# KiCad board KES.kicad_pcb (continued)
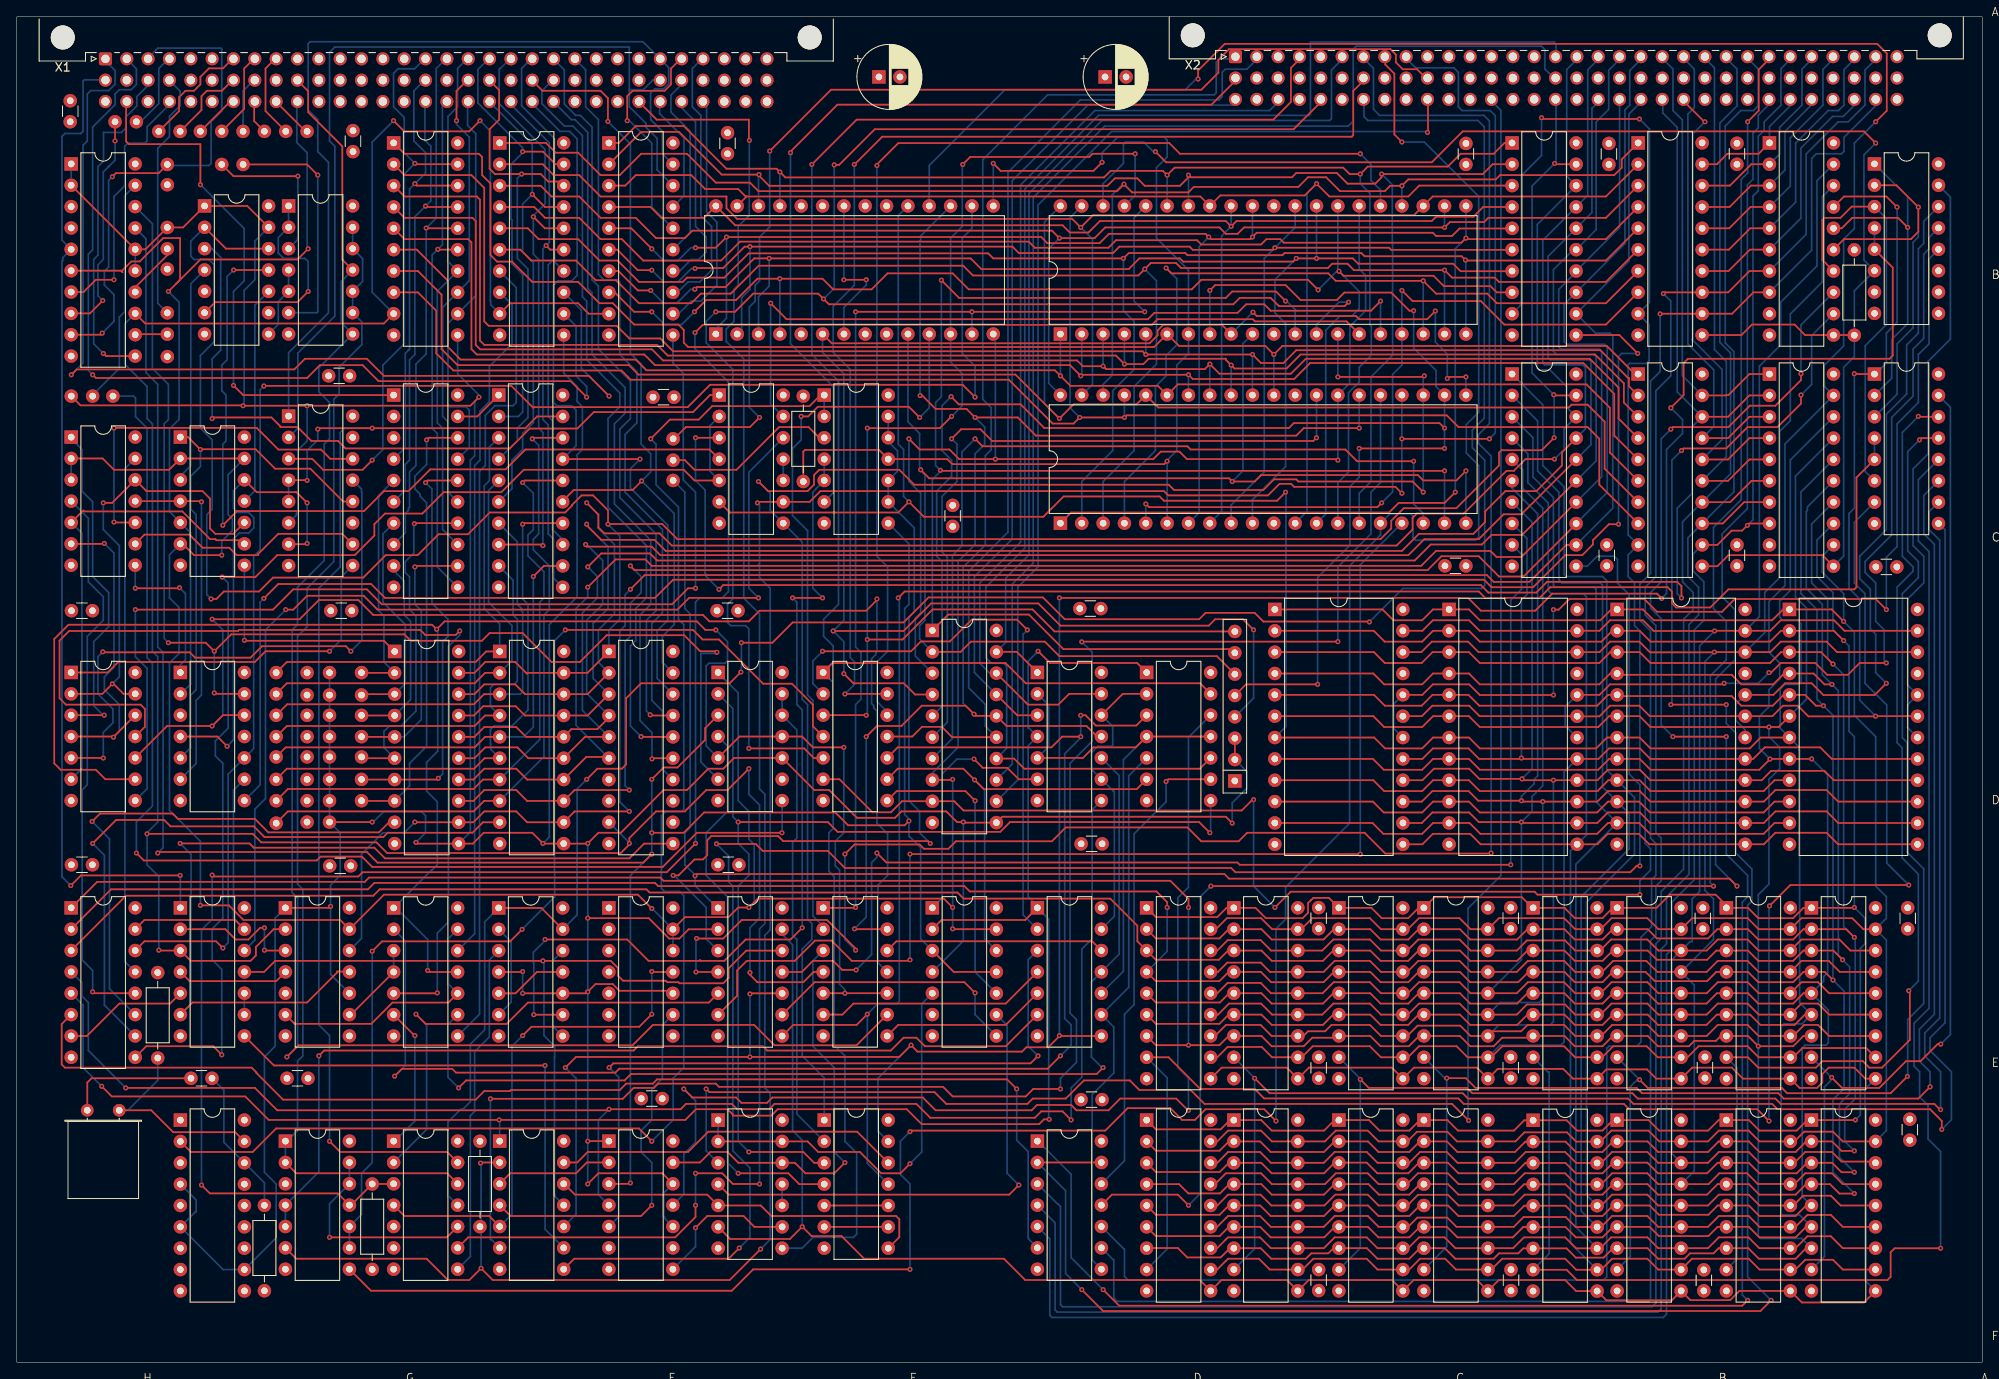
[diagram p0: board, top side]
## Routing (per net, layer and track width the routed paths; a pad name or vN(x,y) marks a point on that pad's centre or on a via; arc(x,y) is an arc through that point) (continued)
  Bottom w0.2: v1(222.51,89.53) 222.51,95.75 223.78,97.02 223.78,111.63 226.32,114.17 226.32,119.88 227.59,121.15 227.59,131.26 AEAO1.12 ; v1(182.89,89.53) v1(182.89,79.37) ; CGCI1.18 163.87,75.41 163.87,78.29 CGCI1.20
Net-(AEBK1-O0): length 121.3
  Top w0.2: v1(216,33.87) 217.24,32.63 221.68,32.63 224.85,35.81 226.58,35.81 228.61,37.84 v1(228.99,37.84)
  Bottom w0.2: AKEI1.8 215.15,12.57 215.15,32.76 216.16,33.77 216.1,33.77 v1(216,33.87) AKDM1.8 ; v1(228.99,37.84) 230.13,38.98 230.13,113.6 AEBK1.15
Net-(AEBK1-O1): length 130.9
  Top w0.2: AEBK1.14 226.37,112.47 v1(226.32,112.51) ; ASDM1.8 206.05,36.27 207.27,35.04 214.13,35.04 214.89,35.81 219.72,35.81 220.48,35.04 222,35.04 225.31,38.35 225.31,44.06 v1(225.18,44.19)
  Bottom w0.2: ASDM1.8 204.73,35.01 204.73,12.28 ASEI1.8 ; v1(225.18,44.19) 226.32,45.33 226.32,58.06 224.39,59.99 224.39,73.09 223.78,73.7 223.78,92.19 225.69,94.1 225.69,94.61 224.42,95.88 224.42,110.61 v1(226.32,112.51)
Net-(AEBK1-O2): length 142.7
  Top w0.2: AEBK1.13 226.66,109.93 v1(226.45,109.72) ; v1(225.02,34) 223.02,32 210.7,32 210.07,32.63 194.11,32.63 v1(193.13,33.61)
  Bottom w0.2: BEEI1.8 192.03,12.58 192.03,32.76 192.88,33.61 v1(193.13,33.61) ; BEDM1.8 192.97,33.77 193.05,33.77 ; v1(225.02,34) 225.05,34.03 225.05,40.76 226.96,42.66 226.96,58.69 225,60.65 225,73.7 224.42,74.29 224.42,91.43 226.32,93.34 226.32,95.24 225.05,96.51 225.05,108.32 v1(226.45,109.72)
Net-(AEBK1-O3): length 176.6
  Top w0.2: BMEI1.8 184.46,11 185.68,9.77 222.64,9.77 223.02,10.15 223.02,13.07 223.5,13.55 v1(228.97,13.55)
  Bottom w0.2: v1(228.97,13.55) 228.97,25.05 227.47,26.55 227.47,30.55 226.47,31.55 226.47,34.55 225.81,35.21 225.81,40.32 227.59,42.1 227.59,96.43 226.32,97.7 226.32,104.99 AEBK1.12 ; BMEI1.8 182.38,12.91 182.38,34.54 182.2,34.54 BMDM1.8
Net-(AEBK1-O4): length 161.4
  Top w0.2: v1(227.72,32.76) 226.32,31.36 210.29,31.36 209.66,32 193.43,32 192.79,32.63 187.63,32.63 173.62,32.63 172.46,33.79 v1(170.19,33.79)
  Bottom w0.2: v1(227.72,32.76) 227.72,34.54 226.45,35.81 226.45,39.62 228.23,41.39 228.23,97.29 226.97,98.55 226.97,103.1 AEBK1.11 ; BWDM1.8 169.95,33.79 v1(170.19,33.79) 170.19,13.74 BWEI1.8
Net-(AEBK1-O5): length 172.7
  Top w0.2: v1(159.9,33.65) 160.92,32.63 167.93,32.63 172.6,32.63 173.23,32 192.29,32 192.92,31.36 209.3,31.36 209.94,30.73 228.23,30.73 228.9,30.05 v1(228.97,30.05)
  Bottom w0.2: AEBK1.10 227.59,101.18 227.59,99.05 228.86,97.78 228.86,40.94 227.08,39.16 227.08,36.44 228.97,34.55 v1(228.97,30.05) ; CGEI1.8 159.9,13.57 v1(159.9,33.65) 159.9,33.72 CGDM1.8
Net-(AEBK1-O6): length 186.9
  Top w0.2: v1(147.33,33.77) 149.11,32 172.09,32 172.73,31.36 191.78,31.36 192.41,30.73 208.92,30.73 209.56,30.09 227.72,30.09 229.11,28.7 v1(229.11,27.69)
  Bottom w0.2: v1(229.11,27.69) 230.26,28.84 230.26,34.54 227.72,37.08 227.72,38.6 229.5,40.38 229.5,99.02 228.75,99.77 ; CQDM1.8 147.33,33.79 v1(147.33,33.77) 147.33,13.5 CQEI1.8
Net-(AEBK1-O7): length 196.9
  Top w0.2: DADM1.8 137.09,36.27 140.85,32.5 147.33,32.5 148.45,31.38 171.57,31.38 172.22,30.73 191.27,30.73 191.91,30.09 207.15,30.09 v1(208.54,28.69) ; v1(225.18,56.76) 211.08,56.76 v1(208.61,54.28)
  Bottom w0.2: v1(225.18,56.76) 222.56,59.38 222.56,78.17 219.97,80.76 219.97,91.43 218.7,92.7 218.7,99.91 AEBK1.7 ; DADM1.8 136.91,33.83 136.91,13.46 DAEI1.8 ; v1(208.54,28.69) 208.54,54.22 v1(208.61,54.28)
Net-(C300-Pad1): length 15.9
  Top w0.2: Y1.1 8.39,33.27 8.9,33.77 C300.1
Net-(DACO1-Pad2): length 36.3
  Top w0.2: DKCO1.12 131.63,79.51 DACO1.2
  Bottom w0.2: DKCO1.12 130.44,75.62 130.44,73.4 130.31,73.27 128.66,73.27 127.9,72.51 127.9,70.54 DKCO1.9 130.5,67.94 130.56,67.94 130.63,67.87 130.63,53.05 DKDM1.13
Net-(DACO1-Pad3): length 174.3
  Top w0.2: v1(126.63,76.95) 127.21,76.95 128.43,75.74 133.23,75.74 DACO1.3 ; v1(44.97,34.03) 45.84,34.9 51.82,34.9 52.28,34.44 71.23,34.44 71.71,34.92 122.69,34.92 v1(124.21,36.44) ; EGCO1.10 104.84,73.14 123.15,73.14 124.42,74.41 v1(126.63,74.41)
  Bottom w0.2: v1(126.63,76.95) v1(126.63,74.41) 126.63,74.29 124.72,72.38 124.72,40.89 125.48,40.12 125.48,37.71 v1(124.21,36.44) ; v1(44.97,34.03) 46.24,35.3 46.24,50.11 FWDM1.2
Net-(DACO1-Pad5): length 65.2
  Bottom w0.2: DKEK1.8 127.99,12.16 127.99,31.84 130.56,34.41 130.56,39.88 DKDM1.9 132.34,44.6 132.34,69.76 DACO1.5
Net-(DACO1-Pad6): length 54.3
  Top w0.2: EGCO1.9 104.84,70.6 112.66,70.6 v1(113.99,69.27) 115.09,68.17 133.29,68.17 DACO1.6
  Bottom w0.2: v1(113.99,69.27) 115.2,68.06 115.2,50.36 DUDM1.12
Net-(DACO1-Pad8): length 128.1
  Top w0.2: v1(85.86,64.25) 96.53,64.25 97.69,63.09 117.05,63.09 118.21,64.25 140.72,64.25 v1(141.99,62.98) ; EGEI1.3 94.9,23.72 93.61,25.01 v1(87.13,25.01)
  Bottom w0.2: EQCO1.2 85.22,77.76 85.22,64.89 v1(85.86,64.25) 85.86,61.71 87.13,60.44 87.13,57.9 85.86,56.63 85.86,26.28 v1(87.13,25.01) ; DACO1.8 142.09,63.08 v1(141.99,62.98)
Net-(DACO1-Pad11): length 63.2
  Top w0.2: DKCO1.5 126.9,71.89 128.15,73.14 133.18,73.14 DACO1.4 DACO1.11
  Bottom w0.2: DKCO1.2 122.82,78.16 122.82,73.24 DKCO1.5 ; DACO1.4 131.71,71.67 131.71,46.51 DKDM1.10
Net-(DACO1-Pad12): length 128
  Top w0.2: v1(139.45,29.96) 139.39,29.96 137.99,31.36 131.33,31.36 129.93,29.96 126.12,29.96 125.48,30.6 121.42,30.6 120.78,29.96 109.35,29.96 107.83,31.49 89.92,31.49 89.29,30.85 86.24,30.85 85.61,31.49 80.4,31.49 v1(79.38,32.5)
  Bottom w0.2: v1(79.38,32.5) 80.78,31.11 80.78,26.15 79.38,24.76 79.38,19.97 FCEK1.11 ; DACO1.12 139.45,74.33 139.45,56.51 138.18,55.24 138.18,35.04 139.45,33.77 v1(139.45,29.96)
Net-(DKCO1-Pad6): length 29.5
  Top w0.2: DKCO1.6 119.25,69.35 117.88,70.71 114.96,70.71 v1(113.93,71.75)
  Bottom w0.2: v1(113.93,71.75) 111.9,71.75 110.12,69.97 110.12,55.2 DUDM1.1
Net-(DKCO1-Pad10): length 127
  Top w0.2: v1(52.59,32.63) 53.47,33.52 72.34,33.52 73.1,34.28 128.53,34.28 v1(129.29,35.04)
  Bottom w0.2: 129.17,35.04 127.9,36.31 127.9,45.24 DKDM1.11 131.2,48.54 131.2,69.78 DKCO1.10 ; v1(52.59,32.63) 51.32,33.9 51.32,40.19 FWDM1.9
Net-(DKDM1-Pad2): length 69
  Top w0.2: v1(95.89,84.57) 106.43,84.57 107.6,85.74 111.06,85.74 113.65,88.33 119.06,88.33 v1(120.28,87.11)
  Bottom w0.2: v1(120.28,87.11) 119.77,86.61 119.77,53.21 DKDM1.2 ; EGCO1.2 94.75,80.73 94.75,83.43 v1(95.89,84.57)
Net-(DKDM1-Pad3): length 85
  Top w0.2: v1(70.49,35.04) 71,35.55 120.66,35.55 v1(121.55,36.44)
  Bottom w0.2: v1(121.55,36.44) 120.37,37.62 120.37,47.87 DKDM1.3 ; FCEK1.5 71.64,17.31 71.64,33.9 v1(70.49,35.04)
Net-(DKDM1-Pad4): length 27.6
  Top w0.2: EGDM1.6 98.26,41.35 99.58,42.66 117.7,42.66 DKDM1.4
Net-(DKDM1-Pad5): length 20
  Top w0.2: EGDM1.8 104.9,40.12 117.7,40.12 DKDM1.5
Net-(DKDM1-Pad6): length 110.8
  Top w0.2: DKDM1.6 117.7,37.58 108.09,37.58 107.07,38.6 105.54,38.6 104.02,37.08 89.29,37.08 88.78,37.58 73.92,37.58 73.41,37.08 36.58,37.08 v1(35.95,36.44)
  Bottom w0.2: v1(35.95,36.44) 35.95,22.66 GIEK1.4 GIEK1.5
Net-(DKDM1-Pad12): length 26.4
  Top w0.2: EGDM1.12 104.69,50.07 127.99,50.07 DKDM1.12
Net-(DUAS1-C/TRG1): length 19
  Top w0.2: v1(98.43,128.77) v1(101.1,128.77)
  Bottom w0.2: v1(98.43,128.77) 98.44,128.78 DUAS1.22 ; DUAS1.7 98.44,125.48 101.1,128.14 v1(101.1,128.77)
Net-(DUDM1-Pad5): length 48.8
  Top w0.2: EQEI1.2 EQEI1.13 94.13,26.26 95.37,25.01 100.34,25.01 102.88,22.47 105.16,22.47 v1(106.31,23.61)
  Bottom w0.2: v1(106.31,23.61) 107.7,25.01 107.7,42.62 DUDM1.5 ; EQEI1.2 EQEI1.1
Net-(DUDM1-Pad8): length 31.3
  Top w0.2: v1(114.05,43.93) 112.78,45.2 94.95,45.2 EQDM1.9
  Bottom w0.2: v1(114.05,43.93) 114.05,41.35 DUDM1.8
Net-(DUDM1-Pad9): length 58.2
  Top w0.2: v1(119.26,21.07) 118.12,19.93 84.72,19.93 EQEI1.4
  Bottom w0.2: v1(119.26,21.07) 117.86,22.47 117.86,40.12 117.82,40.12 DUDM1.9
Net-(DUDM1-Pad10): length 35.4
  Top w0.2: EGCO1.8 104.72,67.94 112.91,67.94 v1(114.05,66.79)
  Bottom w0.2: DUDM1.10 114.05,46.43 v1(114.05,66.79)
Net-(EGBM1-Pad4): length 107.1
  Top w0.2: 81.29,47.74 75.19,47.74 72.65,50.28 v1(62.87,50.28) ; FMDM1.9 v1(61.53,41.34) ; v1(93.48,51.68) 92.08,50.28 86.75,50.28 84.21,47.74 81.4,47.74 81.29,47.86 ; v1(95.89,90.92) v1(92.34,90.92)
  Bottom w0.2: v1(95.89,90.92) 94.75,92.07 94.75,103.5 95.13,103.88 95.13,103.92 EGBM1.5 EGBM1.4 ; v1(93.48,51.68) 93.48,77.59 92.84,78.22 92.84,90.42 v1(92.34,90.92) ; v1(61.53,41.34) 61.53,47.5 61.48,47.56 61.48,48.76 62.87,50.16 v1(62.87,50.28)
Net-(EGBM1-Pad10): length 99.1
  Top w0.2: v1(78.11,57.9) 78.75,57.9 80.65,59.81 81.67,59.81 82.18,60.32 82.18,62.1 82.67,62.58 90.62,62.58 91.22,61.99 108.45,61.99 v1(108.72,61.71)
  Bottom w0.2: v1(108.72,61.71) 107.45,62.98 107.45,65.52 106.18,66.79 106.18,88.64 106.81,89.27 106.81,99.26 EGBM1.9 EGBM1.10 104.78,105.95 104.78,106.04 104.82,106.07 104.82,108.41 103.72,109.51 ; v1(78.11,57.9) 78.24,57.9 82.05,54.09 82.05,50.28 82.15,50.28 EQDM1.3 ; EGBM1.12 EGBM1.13
Net-(EGCO1-Pad4): length 130.6
  Top w0.2: v1(60.14,51.49) 58.71,50.06 43.47,50.06 v1(42.3,48.89) ; v1(65.29,87.11) 80.48,87.11 81.62,85.97 83.57,85.97 88.83,80.71 92.26,80.71 94.75,78.22 94.75,75.65 EGCO1.4
  Bottom w0.2: v1(65.29,87.11) 63.99,85.82 63.99,58.31 64.02,58.29 64.02,55.36 v1(60.14,51.49) ; v1(42.3,48.89) 42.3,23.74 41.03,22.47 41.03,17.58 GIEK1.10 GIEK1.9
Net-(EGDM1-Pad3): length 50.1
  Top w0.2: FCEK1.13 81.31,23.76 82.56,25.01 84.59,25.01 85.88,23.72 EQEI1.12 92.61,23.72 93.86,22.47 97.29,22.47 v1(98.56,23.74)
  Bottom w0.2: v1(98.56,23.74) 97.29,25.01 97.29,32.38 97.29,32.25 97.29,35.04 94.75,37.58 94.75,47.75 EGDM1.3
Net-(EGDM1-Pad10): length 227.6
  Top w0.2: EGDM1.10 v1(98.56,43.89) EGDM1.5 ; v1(98.43,73.14) 94.75,73.14 93.46,74.43 EQCO1.11 86.01,74.43 EQCO1.5 ; FWDM1.11 49.08,46.42 v1(48.9,46.6) ; HECO1.9 10.53,69.35 9.41,70.48 5.21,70.48 4.45,71.24 4.45,86.03 6.15,87.73 49.43,87.73 v1(49.97,87.19) 50.91,88.13 80.93,88.13 81.95,87.11 v1(83.19,87.11)
  Bottom w0.2: 49.92,87.11 50.1,86.94 50.1,72.69 48.78,71.37 48.78,67.94 50.05,66.67 50.05,59.17 49.41,58.54 49.35,58.54 FWDM1.1 ; 45.15,54.04 48.9,50.28 v1(48.9,46.6) ; v1(98.43,73.14) 98.43,62.98 97.42,61.97 97.42,59.05 97.93,58.54 97.93,44.95 98.56,44.32 v1(98.56,43.89) ; v1(83.19,87.11) 84.59,85.72 84.59,83.43 84.31,83.15 82.37,83.15 82.05,82.83 82.05,73.31 EQCO1.5
Net-(EGDM1-Pad11): length 157.5
  Top w0.2: v1(102.37,90.8) 102.24,90.67 102.24,90.54 101.1,89.4 88.4,89.4 87.13,88.13 82.43,88.13 81.67,88.89 42.43,88.89 40.65,90.67 35.95,90.67 33.66,88.38 v1(23.25,88.38) ; GSCO1.12 24.53,76.97 v1(23.25,75.68) 17.88,75.68 HECO1.10
  Bottom w0.2: v1(23.25,75.68) 24.52,76.95 24.52,87.11 v1(23.25,88.38) ; EGDM1.11 102.53,47.49 102.5,47.49 102.49,47.5 102.49,56.75 103.64,57.9 103.64,62.86 102.37,64.13 102.37,77.46 101.99,77.84 101.99,78.1 101.73,78.35 101.73,83.69 102.24,84.19 102.24,84.45 102.37,84.57 v1(102.37,90.8)
Net-(EGEI1-Pad2): length 55.7
  Bottom w0.2: EGEI1.2 92.84,29.52 92.84,50.28 92.34,50.79 92.34,61.84 92.84,62.35 92.84,75.22 EQCO1.12 EQCO1.13
Net-(EGEI1-Pad4): length 65.8
  Top w0.2: v1(85.86,22.47) 91.83,22.47 93.12,21.18 EGEI1.4
  Bottom w0.2: v1(85.86,22.47) 84.59,23.74 84.59,55.36 82.05,57.9 82.05,62.98 84.59,65.52 84.59,73.31 EQCO1.4
Net-(EGEI1-Pad6): length 7.6
  Top w0.2: EGEI1.6 EGEI1.9
Net-(EGEI1-Pad8): length 45.6
  Top w0.2: 65.14,21.22 66.43,19.93 82.18,19.93 EQEI1.5 88.55,18.64 89.8,17.39 104.66,17.39 105.04,17.01 105.04,14.88 EGEI1.8
Net-(EGEI1-Pad10): length 7.6
  Top w0.2: EGEI1.5 EGEI1.10
Net-(EGEI1-Pad12): length 41.7
  Top w0.2: FMEK1.13 66.7,23.76 67.95,25.01 79.89,25.01 82.3,27.42 100.02,27.42 EGEI1.12
Net-(EQBM1-Pad1): length 86.5
  Top w0.2: EQBM1.1 82.5,115.05 80.48,113.02 68.67,113.02 66.71,111.07 61.05,111.07 58.68,108.7 39.12,108.7 38.23,109.59 35.06,109.59 33.41,111.24 31.38,111.24 31.38,111.32 30.31,112.39 23.38,112.39 v1(23.25,112.26)
  Bottom w0.2: v1(23.25,112.26) 23.25,119.37 24.27,120.39 24.27,131.44 23.23,132.47 GQAS1.3
Net-(EQBM1-Pad4): length 98.8
  Top w0.2: v1(24.52,99.56) 26.21,101.25 41.32,101.25 43.7,103.62 46.62,103.62 49.21,106.22 58.17,106.22 60.54,108.58 82.45,108.58 EQBM1.4 ; GQAS1.11 v1(25.81,129.93)
  Bottom w0.2: v1(25.81,129.93) 25.03,129.15 25.03,119.25 24.39,118.61 24.39,115.56 24.9,115.05 24.9,109.59 24.52,109.21 v1(24.52,99.56)
Net-(EQBM1-Pad10): length 2.5
  Bottom w0.2: EQBM1.10 EQBM1.11
Net-(EQBM1-Pad12): length 122
  Top w0.2: v1(32.01,89.53) 32.9,89.53 34.55,91.18 41.28,91.18 42.93,89.53 78.62,89.53 80.02,90.92 v1(88.27,90.92)
  Bottom w0.2: v1(32.01,89.53) 29.6,87.11 29.6,67.05 28.33,65.78 28.33,50.21 GSDM1.12 ; EQBM1.12 87.13,105.88 87.13,92.07 v1(88.27,90.92)
Net-(EQDM1-Pad5): length 57.7
  Top w0.2: v1(47.51,41.39) 48.66,40.24 58.29,40.24 60.83,42.78 82.37,42.78 EQDM1.5
  Bottom w0.2: FWEK1.2 48.78,27.69 48.78,40.12 v1(47.51,41.39)
Net-(EQDM1-Pad12): length 98.7
  Top w0.2: EQDM1.12 86.82,48.96 84.72,46.86 84.72,45.71 84.08,45.08 78.88,45.08 78.75,45.2 77.41,45.2 77.23,45.38 72.15,45.38 71.57,45.96 71.57,46.88 70.7,47.74 v1(62.62,47.74) ; GSDM1.11 29.43,46.43 30.74,47.74 62.75,47.74
  Bottom w0.2: v1(62.62,47.74) 62.75,47.62 62.75,38.85 64.02,37.58 64.02,36.31 63.99,36.29 63.99,19.96 64.02,19.93 64.02,19.75 FMEK1.11
Net-(EQEI1-Pad9): length 17.5
  Top w0.2: v1(80.78,15.99) 82.18,17.39 86.5,17.39 87.79,16.1 EQEI1.9
  Bottom w0.2: v1(80.78,15.99) 80.78,13.75 FCEK1.8
Net-(EQEI1-Pad10): length 2.5
  Bottom w0.2: EQEI1.11 EQEI1.10
Net-(FCDM1-Pad9): length 43.9
  Top w0.2: FMEK1.4 58.76,17.39 74.3,17.39 v1(75.57,18.66)
  Bottom w0.2: FCDM1.9 76.84,40.09 76.84,33.77 75.57,32.5 75.57,28.82 74.3,27.55 74.3,25.01 75.57,23.74 v1(75.57,18.66)
Net-(FCDM1-Pad11): length 61.6
  Top w0.2: v1(75.57,46.47) 75.63,46.42 FCDM1.11 ; v1(75.57,41.39) 74.08,39.9 61.25,39.9 v1(60.21,38.85) ; FMEK1.5 56.22,17.39 46.14,17.39 FWEK1.4
  Bottom w0.2: FMEK1.5 58.94,17.61 58.94,37.58 v1(60.21,38.85) ; v1(75.57,41.39) v1(75.57,46.47)
Net-(FCEK1-Pad2): length 14.1
  Top w0.2: FCEK1.2 67.84,23.76 66.56,22.47 58.72,22.47 FMEK1.3
Net-(FMBM1-CR): length 5.9
  Top w0.2: FMBM1.1 54.81,112.51 FWBM1.19
Net-(FMDM1-Pad2): length 11.4
  Bottom w0.2: FMDM1.6 58.83,42.82 58.83,50.02 FMDM1.2
Net-(FMDM1-Pad3): length 39.9
  Bottom w0.2: FWEK1.8 53.98,12.57 53.98,29.33 54.49,29.84 54.49,36.95 56.24,38.7 56.24,47.85 FMDM1.3
Net-(FMDM1-Pad11): length 8.7
  Top w0.2: FMDM1.11 61.9,46.42 59.36,43.88 FMDM1.5
Net-(FMDM1-Pad12): length 11.1
  Bottom w0.2: FMDM1.12 63.81,47.8 63.81,39.96 FMDM1.8
Net-(FMEK1-Pad9): length 59.9
  Top w0.2: v1(62.87,35.3) 30.6,35.3 GSDM1.8
  Bottom w0.2: v1(62.87,35.3) 62.87,15.82 FMEK1.9
Net-(FWDM1-Pad3): length 9.7
  Top w0.2: FWDM1.4 39.78,41.35
  Bottom w0.2: FWDM1.3 FWDM1.4
Net-(FWDM1-Pad5): length 119.3
  Top w0.2: FWDM1.5 49.99,43.88 v1(50.05,43.93) ; v1(52.71,86.99) 52.24,86.51 48.61,86.51 48.01,87.11 26.46,87.11 26.33,86.99 6.23,86.99 5.09,85.84 5.09,78.99 5.85,78.22 14.74,78.22 15.25,77.72 15.25,75.59 HECO1.11
  Bottom w0.2: v1(50.05,43.93) 50.05,51.05 51.37,52.37 51.37,85.14 52.71,86.48 v1(52.71,86.99)
Net-(FWDM1-Pad6): length 17.1
  Top w0.2: v1(47.38,38.85) 47.34,38.85 FWDM1.6
  Bottom w0.2: 44.98,26.3 47.38,28.69 v1(47.38,38.85)
Net-(FWDM1-Pad10): length 31
  Top w0.2: FWDM1.10 51.37,42.78 44.71,42.78 42.18,40.25 33.07,40.25 GIDM1.6
  Bottom w0.2: FWDM1.13 51.37,50.4 51.37,44.98 FWDM1.10
Net-(FWEK1-Pad10): length 25.7
  Top w0.2: v1(37.22,14.85) 51.18,14.85 FWEK1.10
  Bottom w0.2: GIEK1.13 GIEK1.12 37.22,18.85 v1(37.22,14.85)
Net-(FWEK1-Pad12): length 138.5
  Top w0.2: GIEK1.2 33.26,22.47 51.22,22.47 FWEK1.12
  Bottom w0.2: 32.16,26.3 33.41,27.55 33.41,35.81 34.04,36.44 34.04,56.25 33.41,56.89 33.41,86.35 34.55,87.5 34.55,92.07 37.73,95.24 37.73,114.55 38.36,115.18 38.36,118.36 41.07,121.06 41.07,123.75 GIAS1.9 GIAS1.10 41.16,128.58 41.16,131.28 GIAS1.12 GIAS1.13 ; GIEK1.2 GIEK1.1
Net-(GIAS1-Pad1): length 27
  Top w0.2: v1(34.68,127.37) 33.41,126.1 23.6,126.1 GQAS1.6
  Bottom w0.2: v1(34.68,127.37) 34.68,130.93 34.3,131.31 31.76,131.31 31.12,131.95 31.12,133.78 GIAS1.2 GIAS1.1
Net-(GIAS1-Pad4): length 8.6
  Bottom w0.2: GIAS1.4 GIAS1.5 31.12,126.16 31.12,123.46 GQAS1.8
Net-(GIBO1-O1): length 43.7
  Top w0.2: HEBQ1.10 11.62,99.89 v1(11.56,99.94) ; GIBO1.14 37.31,107.47 36.21,108.57 31.13,108.57 28.55,111.15 11.6,111.15 v1(11.56,111.12)
  Bottom w0.2: v1(11.56,99.94) v1(11.56,111.12)
Net-(GIBO1-O2): length 69.9
  Top w0.2: v1(10.23,84.51) 10.3,84.45 20.58,84.45 21.22,83.81 27.82,83.81 29.18,85.17 39.16,85.17 v1(39.76,84.57) ; v1(10.3,71.87) 10.28,71.89 HECO1.5
  Bottom w0.2: GIBO1.13 41.03,103.87 41.03,103.5 41.07,103.46 41.07,85.89 v1(39.76,84.57) ; v1(10.23,84.51) 9.66,83.94 9.66,79.49 11.44,77.72 11.44,76.07 10.3,74.92 v1(10.3,71.87)
Net-(GIBO1-O3): length 61.9
  Top w0.2: GSBQ1.1 20.38,110.05 v1(21.85,108.58) 21.89,108.61 28.42,108.61 30.74,106.29 34.94,106.29 38.84,102.39 GIBO1.12
  Bottom w0.2: v1(21.85,108.58) 21.85,106.55 20.71,105.4 20.71,101.47 21.34,100.83 21.34,80 20.68,79.34 20.68,73.1 GSCO1.5
Net-(GIBO1-O5): length 29
  Top w0.2: HEBQ1.9 15.19,98.45 20.55,98.45 22.11,96.89 25.28,96.89 26.17,96 28.71,96 28.71,96.13 31.12,98.54 38.74,98.54 GIBO1.10
Net-(GIBO1-O6): length 43.1
  Top w0.2: v1(37.22,84.57) 29.6,84.57 28.33,83.3 12.07,83.3 10.82,82.05 HECO1.1
  Bottom w0.2: v1(37.22,84.57) 38.62,85.97 38.62,93.42 GIBO1.9
Net-(GIBO1-O7): length 57.7
  Top w0.2: GIBO1.7 34.46,97.31 v1(34.55,97.4) ; v1(34.55,102.23) 33.28,103.5 28.56,103.5 GSBQ1.12 ; GSCO1.4 23.87,74.43 v1(25.03,73.27)
  Bottom w0.2: v1(34.55,102.23) v1(34.55,97.4) ; v1(25.03,73.27) 25.79,74.03 25.79,97.96 26.47,98.65 27.59,98.65 28.2,99.26 28.2,100.47 27.59,101.08 26.3,101.08 25.79,101.59 25.79,103.67 GSBQ1.12
Net-(GIDM1-Pad3): length 16.3
  Top w0.2: v1(29.47,51.68) 28.96,51.68 27.57,50.28 26.04,50.28 24.82,51.51 GSDM1.2 ; v1(29.47,49.01) 29.52,48.97 GIDM1.3
  Bottom w0.2: v1(29.47,49.01) v1(29.47,51.68)
Net-(GIDM1-Pad4): length 13.4
  Top w0.2: GSDM1.4 20.57,45.33 30.87,45.33 GIDM1.4
Net-(GQAS1-Pad4): length 25.7
  Bottom w0.2: GQAS1.4 20.71,128.29 20.71,106.65 19.47,105.41
Net-(GQAS1-Pad10): length 26.2
  Bottom w0.2: GSBQ1.11 28.33,103.67 28.33,125.75 GQAS1.10
Net-(GSBQ1-Pad4): length 42
  Top w0.2: HEBQ1.11 GSBQ1.4 21.9,102.43 v1(21.98,102.35)
  Bottom w0.2: v1(21.98,102.35) 21.98,79.37 21.34,78.73 21.34,71.22 GSCO1.6
Net-(GSBQ1-Pad9): length 53.8
  Top w0.2: 26.66,97.78 23.76,97.78 23.63,97.91 23.01,97.91 19.7,101.21 8.01,101.21 7.92,101.3 7.88,101.3 HEBQ1.5
  Bottom w0.2: HECO1.6 7.75,70.64 7.75,98.61 HEBQ1.5
Net-(GSBQ1-Pad10): length 54.5
  Top w0.2: HECO1.2 10.18,79.51 v1(11.37,80.7) 11.44,80.76 12.69,79.51 HECO1.13 ; v1(10.3,102.23) 11.35,102.23 HEBQ1.12 15.44,103.62 22.11,103.62 23,102.74 23,99.18 23.63,98.54 25.74,98.54 GSBQ1.10
  Bottom w0.2: v1(10.3,102.23) 10.3,99.05 12.2,97.15 12.2,81.53 v1(11.37,80.7)
Net-(GSCO1-Pad1): length 18.7
  Top w0.2: v1(14.11,92.07) 19.31,92.07 v1(19.38,92.13)
  Bottom w0.2: GSCO1.1 19.47,82.95 20.07,83.56 20.07,91.43 v1(19.38,92.13) ; v1(14.11,92.07) 14.09,92.08 HEBQ1.8
Net-(GSDM1-Pad10): length 2.5
  Bottom w0.2: GSDM1.9 GSDM1.10
Net-(GSEI1-PC): length 174.5
  Top w0.2: v1(75.45,109.85) 77.73,112.13 81.16,112.13 82.76,113.73 94.34,113.73 95.66,115.05 ; v1(75.57,26.28) 74.05,27.81 30.87,27.81 28.08,25.01 20.72,25.01 GSEI1.2
  Bottom w0.2: EGBM1.2 EGBM1.1 ; v1(75.57,26.28) 78.11,28.82 78.11,33.77 79.38,35.04 79.38,55.49 78.88,56 77.1,56 76.72,56.38 76.72,65.02 77.22,65.52 79.13,65.52 79.38,65.78 79.38,87.75 78.75,88.38 78.75,101.72 76.08,104.39 76.08,109.21 v1(75.45,109.85)
Net-(GSEI1-X1): length 25.2
  Top w0.2: Y1.2 16.01,29.96 18.61,27.36 25.99,27.36 GSEI1.17
  Bottom w0.2: R3.2 16.77,33.52 13.22,29.96 Y1.2
Net-(GSEI1-X2): length 17.7
  Bottom w0.2: C300.2 24.65,32.36 24.65,26.16 GSEI1.16 29.47,21.34 R4.2
Net-(HEAO1-ANYRQ): length 6.2
  Top w0.2: 14.09,127.87 17.91,131.69 X1004.1
Net-(HEAO1-BPRO): length 26.9
  Top w0.2: X1013.1 v1(11.69,145.28) ; HEAO1.8 8.71,124.77 v1(10.23,126.29)
  Bottom w0.2: v1(10.23,126.29) 9.66,126.87 9.66,130.55 10.3,131.18 10.3,141.6 10.99,142.3 10.93,142.23 11.69,142.99 v1(11.69,145.28)
Net-(HEAO1-C): length 293.9
  Top w0.2: v1(16.77,60.57) 16.9,60.7 41.66,60.7 42.93,59.43 74.56,59.43 v1(75.57,60.44) ; v1(75.57,62.98) 79.38,62.98 81.8,65.4 97.42,65.4 98.94,63.87 105.67,63.87 v1(106.18,64.38) ; DUDM1.3 111.51,46.43 DUDM1.11 ; v1(75.57,69.33) 76.99,70.75 78.64,70.75 81.92,74.03 81.92,75.42 EQCO1.3 ; FCEK1.3 72.92,21.22 v1(73.03,21.33)
  Bottom w0.2: DUDM1.3 107.58,50.36 107.58,61.21 106.36,62.43 106.33,62.43 106.18,62.58 v1(106.18,64.38) 106.18,64.64 105.67,65.14 105.67,89.65 106.18,90.16 106.18,97.35 EGBM1.8 ; v1(73.03,21.33) 73.03,57.9 v1(75.57,60.44) v1(75.57,62.98) v1(75.57,69.33) ; HEAO1.17 15.38,133.65 15.38,117.72 16.77,116.32 16.77,85.08 17.41,84.45 17.41,61.21 v1(16.77,60.57)
Net-(HEAO1-CBRQ): length 3.8
  Top w0.2: X1007.1 14.15,122.29
Net-(HEAO1-S1): length 27.1
  Bottom w0.2: 9.02,115.05 12.2,118.23 12.2,124.33 12.84,124.96 12.84,138.76 HEAO1.19
Net-(HEBQ1-Pad1): length 39.9
  Top w0.2: HECO1.3 v1(10.41,76.97)
  Bottom w0.2: 6.47,109.86 7.75,108.58 7.75,103.62 9.02,102.35 9.02,93.46 10.93,91.56 10.93,87.5 9.15,85.72 9.15,78.1 10.3,76.95
Net-(HEBQ1-Pad6): length 37.8
  Top w0.2: HECO1.12 11.5,74.38 v1(11.5,74.35) 11.42,74.43 HECO1.4 ; v1(10.42,97.4) 10.37,97.35 HEBQ1.6
  Bottom w0.2: v1(11.5,74.35) 12.2,75.05 12.2,78.22 10.42,80 10.42,81.53 11.56,82.67 11.56,96.26 v1(10.42,97.4)
Net-(HEDM1-O2): length 62.1
  Bottom w0.2: HEBQ1.13 12.86,106.28 12.86,47.66 HEDM1.13
Net-(HEDM1-O3): length 66.6
  Top w0.2: v1(9.02,44.06) 9.2,43.89 HEDM1.12
  Bottom w0.2: v1(9.02,44.06) 9.02,46.6 7.78,47.85 7.78,68.09 8.39,68.7 8.39,86.35 10.3,88.26 10.3,91.05 8.52,92.83 8.52,100.38 HEBQ1.4
Net-(HEDM1-O6): length 144.7
  Top w0.2: v1(24.39,36.57) 23.38,37.58 15.4,37.58 HEDM1.9 ; v1(24.46,93.4) 28.39,93.4 31,96 40.22,96 42.55,98.34 42.55,99.69 43.82,100.96 48.27,100.96 50.81,103.5 57.67,103.5 60.33,106.16 79.38,106.16 80.66,104.89 EQBM1.5
  Bottom w0.2: EQBM1.2 82.5,111.41 82.5,105.99 EQBM1.5 ; v1(24.46,93.4) 25.15,92.7 25.15,75.43 23.63,73.91 23.63,72.13 24.52,71.24 24.52,52.82 23.25,51.55 23.25,47.87 24.39,46.73 v1(24.39,36.57)
Net-(HEDM1-O7): length 15.1
  Top w0.2: GSDM1.5 18.24,42.66 12.2,42.66 8.35,38.81 HEDM1.7
Net-(X702-Pin_1): length 20.5
  Top w0.2: 95.52,109.97 94.24,111.24 90.74,111.24 85.66,106.16 80.65,106.16 79.51,107.31 X702.1

## Copper pours and planes (outline as drawn; the poured copper is in the pictures)
+5V on In1.Cu: 2.55,154.68 8.14,154.68 8.14,160.01 91.45,160.01 91.45,154.42 98.31,154.42 98.31,160.01 136.41,160.01 136.41,154.42 142.76,154.42 142.76,160.01 226.07,160.01 226.07,154.42 233.94,154.42 233.94,1.77 2.29,1.77
GND on In2.Cu: 2.55,160.01 233.94,160.01 233.94,1.77 2.29,1.77

## Text on the board
F.Silkscreen: K | I | G | E | C | H | A | X | W | U | S | Q | O | M | F | D | B | A- | B- | C- | D- | E- | F-
